# Altium PCB STB_LightBoard.PcbDoc (part 16 of 31)
Units mm, origin at the board's own origin, x right, y up, seen from the top; angles counter-clockwise.
Board outline 348 x 348 mm, 2 copper layers (Top Layer, Bottom Layer), stack 1.672 mm thick; 3807 components, 3391 nets, 11616 pads, 2553 vias.
Unrouted connection lines stored in the file: 68.
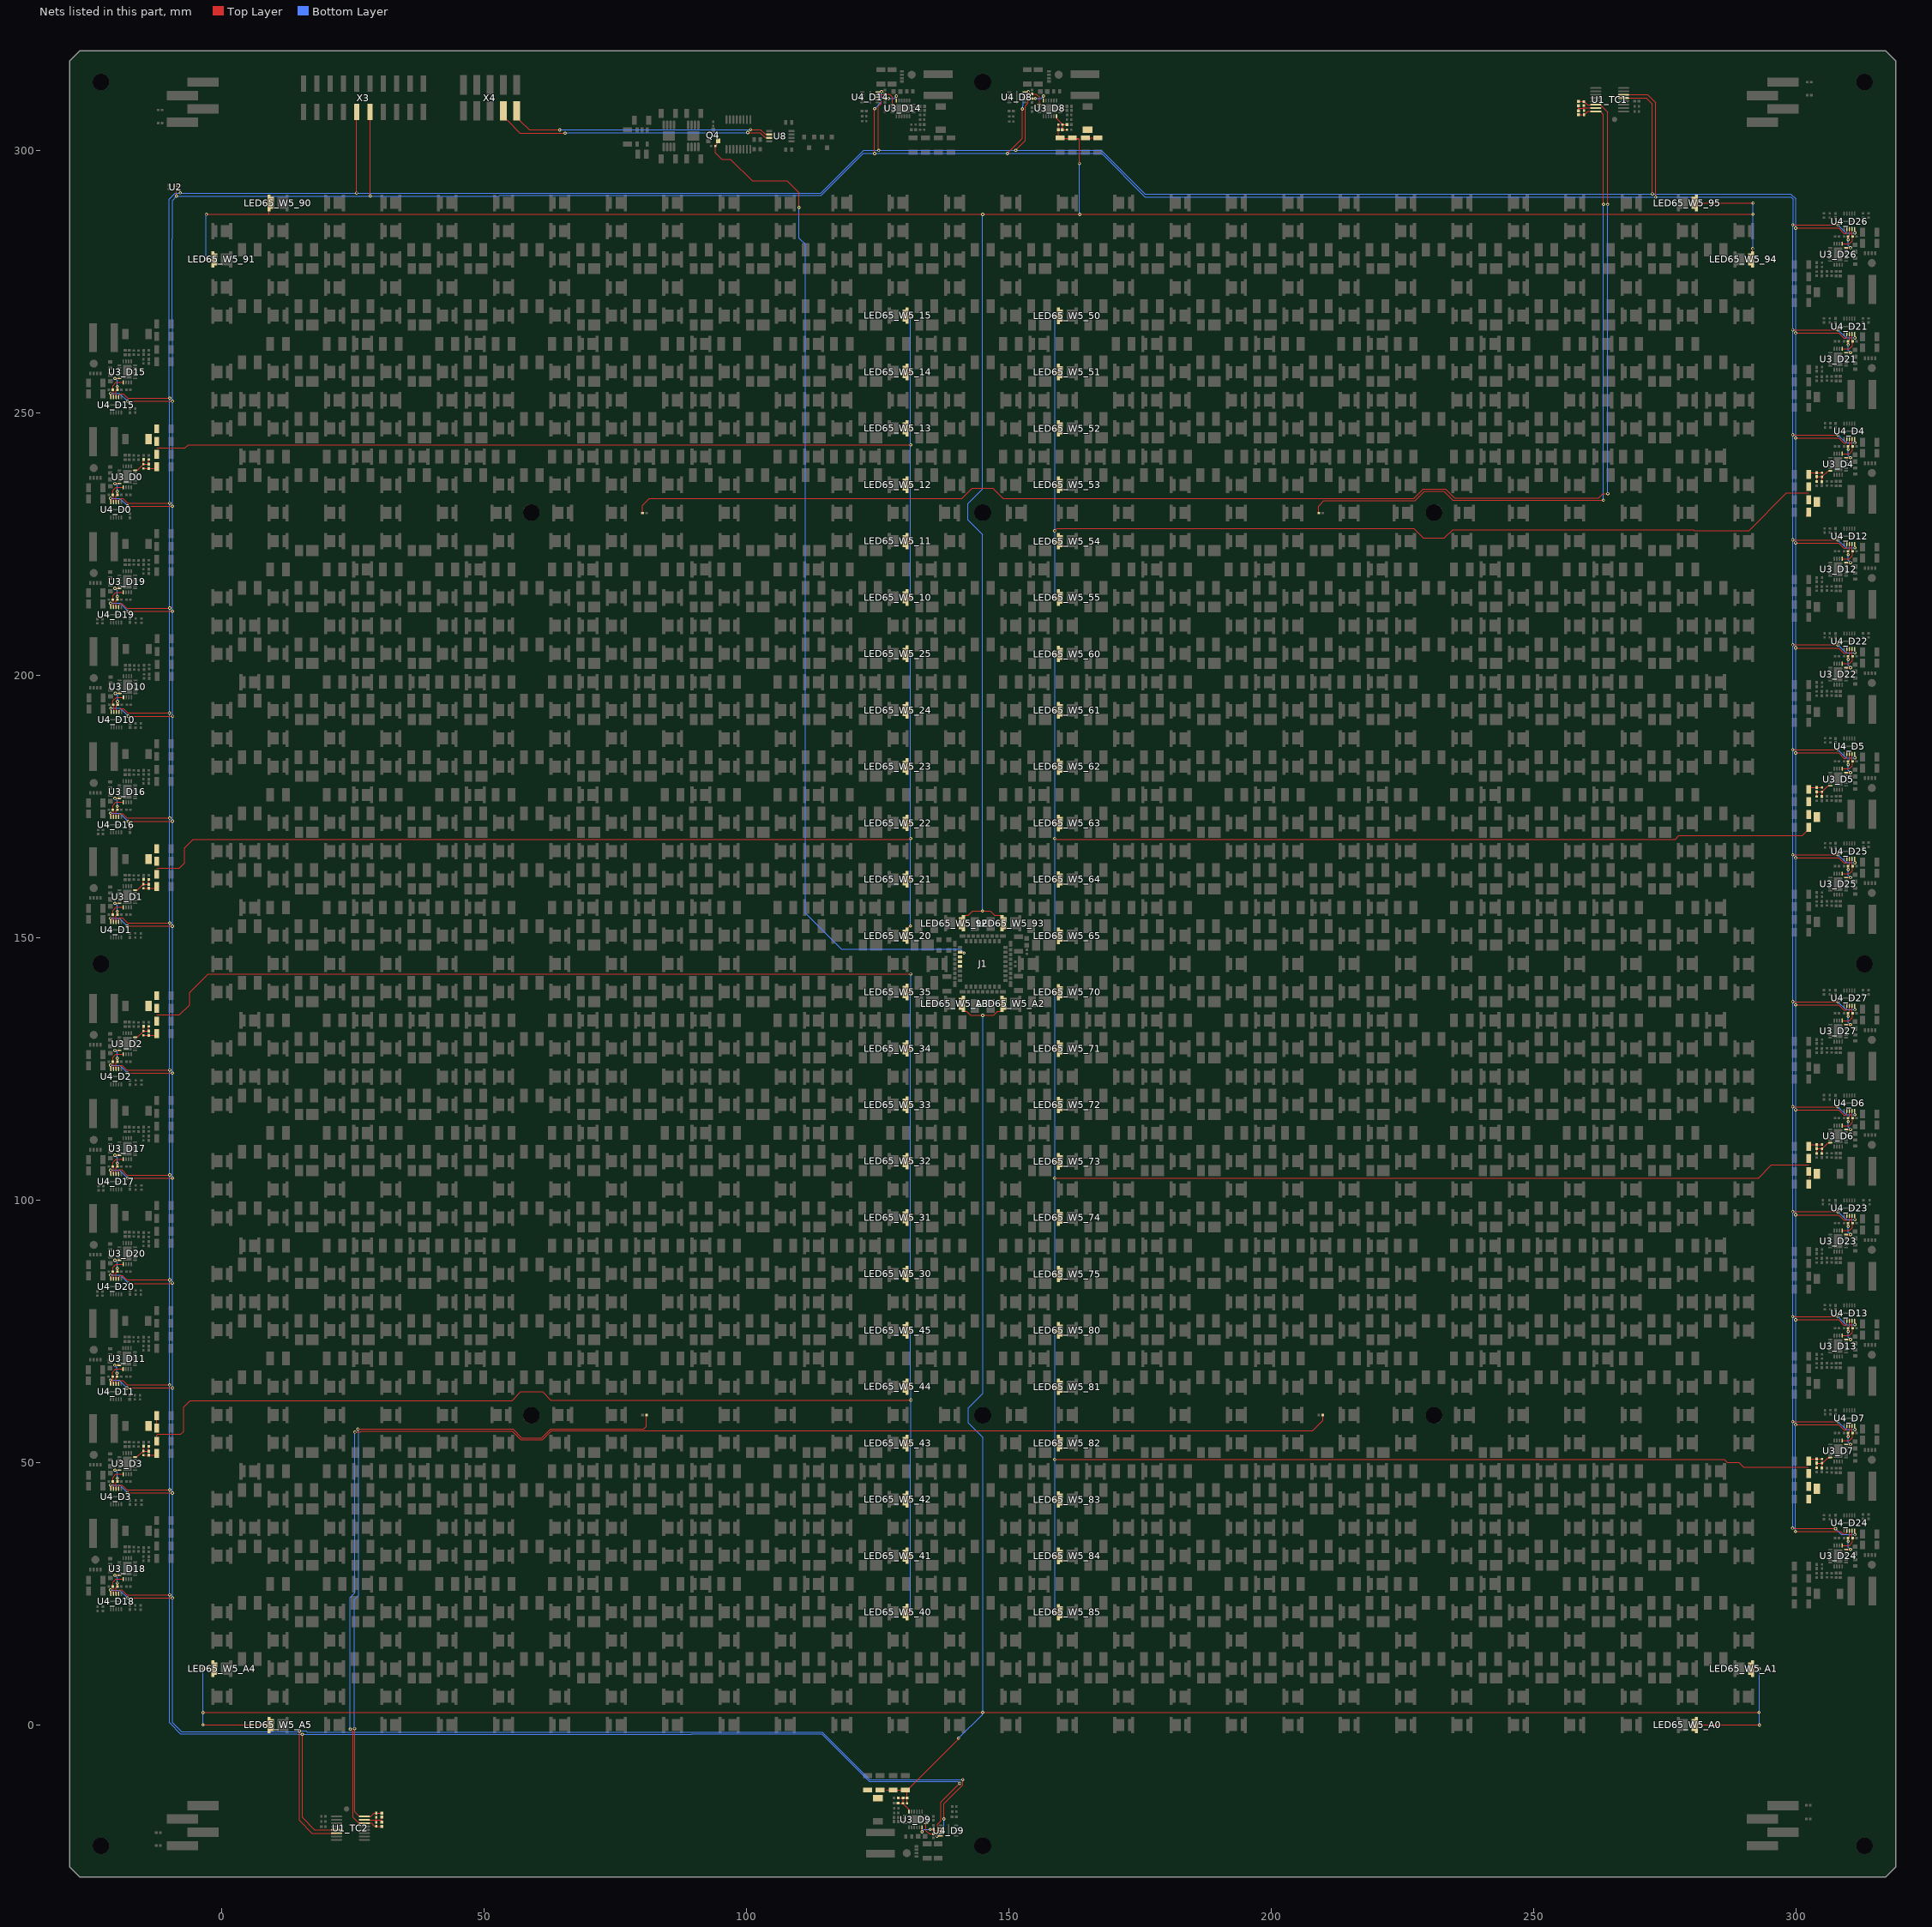
[diagram p16: the nets of this part, all layers, seen from the top]

## Via types
v1: diameter 0.604, hole 0.3, Top Layer to Bottom Layer, tented both sides, 2553 vias

## Nets (pads, with @x,y where several pads share a name; then routed paths per layer and width w, separated by ;. In a path a pad name is that pad's centre, name@x,y a point inside that pad or via, vN(x,y) a via of type N, cw(c..) or ccw(c..) an arc to the next point about the centre after c; other vN are vias at no path point) (continued)
I2C_LIGHT_SCL: U1_TC1.14 U1_TC2.14 U2.B1 U4_D0.10 U4_D1.10 U4_D2.10 U4_D3.10 U4_D4.10 U4_D5.10 U4_D6.10 U4_D7.10 U4_D8.10 U4_D9.10 U4_D10.10 U4_D11.10 U4_D12.10 U4_D13.10 U4_D14.10 U4_D15.10 U4_D16.10 U4_D17.10 U4_D18.10 U4_D19.10 U4_D20.10 U4_D21.10 U4_D22.10 U4_D23.10 U4_D24.10 U4_D25.10 U4_D26.10 U4_D27.10 X3.11 | length 1452.1
  Top Layer w0.2: v1(-21.231,65.714) -21.177,65.66 -21.177,65.01 U4_D11.10@-21.167,65 ; v1(-21.189,25.714) -21.135,25.66 -21.135,25.01 U4_D18.10@-21.125,25 ; v1(-21.189,45.714) -21.135,45.66 -21.135,45.01 U4_D3.10@-21.125,45 ; v1(-21.189,85.714) -21.135,85.66 -21.135,85.01 U4_D20.10@-21.125,85 ; v1(-21.189,105.714) -21.135,105.66 -21.135,105.01 U4_D17.10@-21.125,105 ; v1(-21.189,125.714) -21.135,125.66 -21.135,125.01 U4_D2.10@-21.125,125 ; v1(-21.189,153.714) -21.135,153.66 -21.135,153.01 U4_D1.10@-21.125,153 ; v1(-21.189,173.714) -21.135,173.66 -21.135,173.01 U4_D16.10@-21.125,173 ; v1(-21.189,213.714) -21.135,213.66 -21.135,213.01 U4_D19.10@-21.125,213 ; v1(-21.189,233.714) -21.135,233.66 -21.135,233.01 U4_D0.10@-21.125,233 ; v1(-21.189,253.714) -21.135,253.66 -21.135,253.01 U4_D15.10@-21.125,253 ; v1(-21.131,193.714) -21.077,193.66 -21.077,193.01 U4_D10.10@-21.067,193 ; v1(-18.076,64.213) -18.074,64.211 -9.343,64.211 v1(-9.341,64.209) ; v1(-17.985,152.227) -17.971,152.213 -9.414,152.213 v1(-9.4,152.2) ; v1(-17.975,44.246) -17.959,44.23 -9.43,44.23 v1(-9.4,44.2) ; v1(-17.965,124.23) -17.95,124.215 -9.415,124.215 v1(-9.4,124.2) ; v1(-17.957,232.237) -17.919,232.2 v1(-9.4,232.2) ; v1(-17.955,252.216) -17.946,252.208 -9.408,252.208 v1(-9.4,252.2) ; v1(-17.954,24.216) -17.946,24.208 -9.408,24.208 v1(-9.4,24.2) ; v1(-17.936,104.18) -17.926,104.19 -9.41,104.19 v1(-9.4,104.2) ; v1(-17.847,172.163) -17.828,172.181 -9.419,172.181 v1(-9.4,172.2) ; v1(-17.838,212.214) -17.831,212.207 -9.407,212.207 v1(-9.4,212.2) ; v1(-17.837,192.23) -17.822,192.215 -9.357,192.215 v1(-9.342,192.2) ; v1(-17.8,84.2) -17.723,84.123 -17.486,84.123 -17.481,84.118 -9.591,84.118 -9.509,84.2 v1(-9.4,84.2) ; v1(-8.614,291.314) U2.B1@-8.614,292.794 ; v1(14.817,-1.159) 14.802,-1.174 14.802,-18.185 17.226,-20.608 U1_TC2.14@21.885,-20.608 ; X3.11@28.27,307.3 28.3,307.27 v1(28.3,291.3) ; v1(124.4,299.4) 124.4,307.94 v1(124.413,307.953) ; U4_D14.10@125,311.125 125.01,311.135 125.66,311.135 v1(125.714,311.189) ; v1(136.286,-21.189) 136.34,-21.135 136.99,-21.135 U4_D9.10@137,-21.125 ; v1(137.6,-17.9) 137.6,-15 141.2,-11.4 v1(141.2,-10.4) ; v1(149.691,299.417) 152.567,302.294 v1(152.567,307.887) ; U4_D8.10@153,311.125 153.01,311.135 153.66,311.135 v1(153.714,311.189) ; U1_TC1.14@267.115,310.608 271.672,310.608 273.2,309.081 v1(273.2,291.1) ; v1(299.311,37.511) 299.367,37.456 307.444,37.456 v1(307.5,37.4) ; v1(299.348,57.8) 299.356,57.792 v1@307.946,57.792 ; v1(299.348,77.8) 299.356,77.792 v1@307.946,77.792 ; v1(299.348,97.8) 299.356,97.792 v1@307.946,97.792 ; v1(299.348,117.8) 299.356,117.792 v1@307.946,117.792 ; v1(299.348,137.8) 299.356,137.792 v1@307.946,137.792 ; v1(299.348,165.8) 299.356,165.792 v1@307.946,165.792 ; v1(299.348,185.8) 299.356,185.792 v1@307.946,185.792 ; v1(299.348,205.8) 299.356,205.792 v1@307.946,205.792 ; v1(299.348,225.8) 299.356,225.792 v1@307.946,225.792 ; v1(299.348,245.8) 299.356,245.792 v1@307.946,245.792 ; v1(299.348,265.8) 299.356,265.792 v1@307.946,265.792 ; v1(299.348,285.8) 299.356,285.792 v1@307.946,285.792 ; U4_D24.10@311.125,37 311.135,36.99 311.135,36.34 v1(311.189,36.286) ; U4_D7.10@311.125,57 311.135,56.99 311.135,56.34 v1(311.189,56.286) ; U4_D13.10@311.125,77 311.135,76.99 311.135,76.34 v1(311.189,76.286) ; U4_D23.10@311.125,97 311.135,96.99 311.135,96.34 v1(311.189,96.286) ; U4_D6.10@311.125,117 311.135,116.99 311.135,116.34 v1(311.189,116.286) ; U4_D27.10@311.125,137 311.135,136.99 311.135,136.34 v1(311.189,136.286) ; U4_D25.10@311.125,165 311.135,164.99 311.135,164.34 v1(311.189,164.286) ; U4_D5.10@311.125,185 311.135,184.99 311.135,184.34 v1(311.189,184.286) ; U4_D22.10@311.125,205 311.135,204.99 311.135,204.34 v1(311.189,204.286) ; U4_D12.10@311.125,225 311.135,224.99 311.135,224.34 v1(311.189,224.286) ; U4_D4.10@311.125,245 311.135,244.99 311.135,244.34 v1(311.189,244.286) ; U4_D21.10@311.125,265 311.135,264.99 311.135,264.34 v1(311.189,264.286) ; U4_D26.10@311.125,285 311.135,284.99 311.135,284.352 v1(311.189,284.298)
  Bottom Layer w0.2: v1(-21.231,65.714) -19.577,65.714 v1(-18.076,64.213) ; v1(-21.189,25.714) -19.452,25.714 v1(-17.954,24.216) ; v1(-21.189,45.714) -19.428,45.714 -17.975,44.261 v1(-17.975,44.246) ; v1(-21.189,85.714) -19.314,85.714 v1(-17.8,84.2) ; v1(-21.189,105.714) -19.47,105.714 v1(-17.936,104.18) ; v1(-21.189,125.714) -19.449,125.714 -18.544,124.809 v1(-17.965,124.23) ; v1(-21.189,153.714) -19.472,153.714 v1(-17.985,152.227) ; v1(-21.189,173.714) -19.398,173.714 v1(-17.847,172.163) ; v1(-21.189,213.714) -19.338,213.714 v1(-17.838,212.214) ; v1(-21.189,233.714) -19.403,233.714 -17.957,232.268 v1(-17.957,232.237) ; v1(-21.189,253.714) -19.452,253.714 v1(-17.955,252.216) ; v1(-21.131,193.714) -19.321,193.714 v1(-17.837,192.23) ; -9.41,283.09 -9.41,267.676 -9.348,267.614 v1@-9.348,252.2 ; v1(-9.4,212.2) -9.4,192.258 v1(-9.342,192.2) ; -9.4,283.101 -9.4,290.479 -8.614,291.266 v1(-8.614,291.314) ; v1@-9.348,192.2 -9.348,84.2 -9.371,84.177 -9.371,64.238 v1(-9.341,64.209) -9.348,64.202 -9.348,0.434 -7.62,-1.294 14.573,-1.294 v1@14.708,-1.159 ; v1@-9.348,212.2 v1@-9.348,252.2 ; v1@-8.54,291.359 -8.472,291.359 -8.427,291.314 52.843,291.314 52.936,291.406 114.206,291.406 122.222,299.422 149.686,299.422 v1(149.691,299.417) 149.695,299.422 167.678,299.422 175.954,291.146 299.002,291.146 299.448,290.7 v1@299.448,285.8 ; v1(14.817,-1.159) 14.857,-1.118 16.031,-1.118 16.258,-1.345 114.445,-1.345 123.513,-10.413 v1@141.2,-10.413 ; v1(124.413,307.953) 125.714,309.254 v1(125.714,311.189) ; v1(136.286,-21.189) 137.6,-19.875 v1(137.6,-17.9) ; v1(152.567,307.887) 152.6,307.92 152.6,308.489 152.7,308.589 152.7,310.175 v1(153.714,311.189) ; v1(299.311,37.511) 299.311,37.717 299.348,37.753 v1(299.348,57.8) v1(299.348,77.8) v1(299.348,97.8) v1(299.348,117.8) v1(299.348,137.8) v1(299.348,165.8) v1(299.348,185.8) v1(299.348,205.8) v1(299.348,225.8) 299.348,245.7 v1@299.398,245.75 ; v1(299.348,245.8) v1(299.348,265.8) ; v1@299.348,265.9 v1(299.348,285.8) ; v1(307.5,37.4) 308.614,36.286 v1(311.189,36.286) ; v1(307.954,57.784) 309.452,56.286 v1@311.189,56.286 ; v1(307.954,77.784) 309.452,76.286 v1@311.189,76.286 ; v1(307.954,97.784) 309.452,96.286 v1@311.189,96.286 ; v1(307.954,117.784) 309.452,116.286 v1@311.189,116.286 ; v1(307.954,137.784) 309.452,136.286 v1(311.189,136.286) ; v1(307.954,165.784) 309.452,164.286 v1@311.189,164.286 ; v1(307.954,185.784) 309.452,184.286 v1@311.189,184.286 ; v1(307.954,205.784) 309.452,204.286 v1@311.189,204.286 ; v1(307.954,225.784) 309.452,224.286 v1@311.189,224.286 ; v1(307.954,245.784) 309.452,244.286 v1@311.189,244.286 ; v1(307.954,265.784) 309.452,264.286 v1@311.189,264.286 ; v1(307.954,285.784) 309.452,284.286 311.176,284.286 v1(311.189,284.298)
I2C_LIGHT_SDA: U1_TC1.13 U1_TC2.13 U2.B2 U4_D0.7 U4_D1.7 U4_D2.7 U4_D3.7 U4_D4.7 U4_D5.7 U4_D6.7 U4_D7.7 U4_D8.7 U4_D9.7 U4_D10.7 U4_D11.7 U4_D12.7 U4_D13.7 U4_D14.7 U4_D15.7 U4_D16.7 U4_D17.7 U4_D18.7 U4_D19.7 U4_D20.7 U4_D21.7 U4_D22.7 U4_D23.7 U4_D24.7 U4_D25.7 U4_D26.7 U4_D27.7 X3.9 | length 1381.4
  Top Layer w0.2: U4_D11.7@-19.667,65 -19.667,65.289 -19.544,65.411 -19.544,65.431 -19.323,65.652 -18.855,65.652 -18.003,64.8 v1(-9.944,64.8) ; U4_D18.7@-19.625,25 -19.615,25.01 -19.615,25.665 -19.481,25.8 -19.092,25.8 -18.092,24.8 v1(-9.902,24.8) ; U4_D3.7@-19.625,45 -19.615,45.01 -19.615,45.32 -19.615,45.556 -19.498,45.673 -18.967,45.673 -18.094,44.8 v1(-9.902,44.8) ; U4_D20.7@-19.625,85 -19.625,85.289 -19.502,85.412 -19.502,85.431 -19.281,85.652 -18.917,85.652 -18.065,84.8 v1(-9.902,84.8) ; U4_D17.7@-19.625,105 -19.615,105.01 -19.615,105.665 -19.481,105.8 -19.098,105.8 -18.098,104.8 v1(-9.902,104.8) ; U4_D2.7@-19.625,125 -19.615,125.01 -19.615,125.32 -19.615,125.579 -19.498,125.697 -18.979,125.697 -18.083,124.8 v1(-9.902,124.8) ; U4_D1.7@-19.625,153 -19.615,153.01 -19.615,153.665 ; U4_D16.7@-19.625,173 -19.615,173.01 -19.615,173.32 -19.615,173.545 -19.498,173.662 -18.941,173.662 -18.079,172.8 v1(-9.902,172.8) ; U4_D19.7@-19.625,213 -19.625,213.289 -19.502,213.412 -19.502,213.431 -19.281,213.652 -18.969,213.652 -18.117,212.8 v1(-9.902,212.8) ; U4_D0.7@-19.625,233 -19.625,233.289 -19.502,233.412 -19.502,233.431 -19.281,233.652 -18.83,233.652 -17.969,232.791 v1@-9.911,232.791 ; U4_D15.7@-19.625,253 -19.625,253.289 -19.502,253.412 -19.502,253.431 -19.281,253.652 -18.794,253.652 -17.942,252.8 v1(-9.902,252.8) ; -19.571,153.71 -19.615,153.665 ; U4_D10.7@-19.567,193 -19.567,193.289 -19.444,193.411 -19.444,193.431 -19.223,193.652 -18.794,193.652 -17.942,192.8 v1(-9.954,192.8) ; v1(-9.902,152.8) -17.95,152.8 -18.95,153.8 -19.481,153.8 -19.615,153.665 ; U2.B2@-8.616,293.194 -8.612,293.19 -8.397,293.19 -7.902,292.695 ; v1(-7.9,291.913) -7.9,292.695 ; v1(15.356,-1.756) 15.356,-17.61 17.72,-19.973 U1_TC2.13@21.885,-19.973 ; v1(25.7,291.868) 25.7,307.27 X3.9@25.73,307.3 ; U4_D14.7@125,309.625 125.01,309.615 125.369,309.615 125.652,309.333 125.652,308.939 125.146,308.433 125.146,300.054 v1(125.2,300) ; U4_D9.7@137,-19.625 136.99,-19.615 136.515,-19.615 136.348,-19.448 136.348,-18.899 137.018,-18.229 137.018,-14.682 140.592,-11.108 v1(140.644,-11.108) ; v1(151.304,300.027) 151.304,300.094 153.121,301.911 153.121,308.438 153.652,308.969 153.652,309.281 153.431,309.502 153.411,309.502 153.289,309.625 U4_D8.7@153,309.625 ; U1_TC1.13@267.115,309.973 271.427,309.973 272.6,308.8 v1(272.6,291.7) ; v1(299.847,36.886) 299.887,36.846 308.45,36.846 308.948,36.348 309.281,36.348 309.502,36.569 309.502,36.588 309.625,36.711 U4_D24.7@309.625,37 ; v1(299.902,57.2) 308.092,57.2 309.092,56.2 309.481,56.2 309.615,56.335 U4_D7.7@309.615,56.99 ; v1(299.902,77.2) 308.092,77.2 309.092,76.2 309.481,76.2 309.615,76.335 U4_D13.7@309.615,76.99 ; v1(299.902,97.2) 308.092,97.2 309.092,96.2 309.481,96.2 309.615,96.335 U4_D23.7@309.615,96.99 ; v1(299.902,117.2) 308.092,117.2 309.092,116.2 309.481,116.2 309.615,116.335 U4_D6.7@309.615,116.99 ; v1(299.902,137.2) 308.092,137.2 309.092,136.2 309.481,136.2 309.615,136.335 U4_D27.7@309.615,136.99 ; v1(299.902,165.2) 308.092,165.2 309.092,164.2 309.481,164.2 309.615,164.335 U4_D25.7@309.615,164.99 ; v1(299.902,185.2) 308.092,185.2 309.092,184.2 309.481,184.2 309.615,184.335 U4_D5.7@309.615,184.99 ; v1(299.902,205.2) 308.092,205.2 309.092,204.2 309.481,204.2 309.615,204.335 U4_D22.7@309.615,204.99 ; v1(299.902,225.2) 308.092,225.2 309.092,224.2 309.481,224.2 309.615,224.335 U4_D12.7@309.615,224.99 ; v1(299.902,245.2) 308.092,245.2 309.092,244.2 309.481,244.2 309.615,244.335 U4_D4.7@309.615,244.99 ; v1(299.902,265.2) 308.092,265.2 309.092,264.2 309.481,264.2 309.615,264.335 U4_D21.7@309.615,264.99 ; v1(299.902,285.2) 308.092,285.2 309.092,284.2 309.481,284.2 309.615,284.335 U4_D26.7@309.615,284.99
  Bottom Layer w0.2: v1@-7.9,291.868 114.168,291.868 122.327,300.027 v1(151.304,300.027) 151.315,300.015 167.585,300.015 175.894,291.706 298.994,291.706 299.902,290.798 v1(299.902,285.2) v1(299.902,265.2) v1(299.902,245.2) v1(299.902,225.2) v1(299.902,205.2) v1(299.902,185.2) v1(299.902,165.2) v1(299.902,137.2) v1(299.902,117.2) v1(299.902,97.2) v1(299.902,77.2) v1(299.902,57.2) 299.874,57.172 299.874,36.914 v1(299.847,36.886) ; v1(-7.9,291.913) -7.945,291.868 -8.859,291.868 -10,290.727 -10,253.119 -9.979,253.098 -9.979,252.877 v1(-9.902,252.8) -9.954,252.748 v1(-9.954,192.8) -9.954,0.419 -7.889,-1.646 14.323,-1.646 14.462,-1.785 15.327,-1.785 v1(15.356,-1.756) 89.501,-1.756 89.56,-1.697 114.299,-1.697 123.368,-10.765 140.192,-10.765 140.534,-11.108 v1(140.644,-11.108)
  other v1: -9.902,232.8
I2C_SCL: U8.2 X4.9 | length 50.7
  Top Layer w0.2: X4.9@56.21,307.525 56.745,306.99 56.745,305.755 58.6,303.9 v1(64.4,303.9) ; v1(100.752,303.952) 102.68,303.952 103.543,303.088 104.262,303.088 U8.2@104.3,303.05
  Bottom Layer w0.2: v1(64.4,303.9) 64.465,303.965 100.738,303.965 v1(100.752,303.952)
I2C_SCL_D0: R56_D0.1 U3_D0.7 U4_D0.9 | length 4.7
  Top Layer w0.2: R56_D0.1@-20.75,234.389 -20.635,234.273 -20.635,233.01 U4_D0.9@-20.625,233 ; U3_D0.7@-18.75,235.8 -20.15,235.8 -20.75,235.2 R56_D0.1@-20.75,234.476 ; R56_D0.1@-20.75,234.476 -20.647,234.373 -20.706,234.432 R56_D0.1@-20.75,234.476
I2C_SCL_D1: R56_D1.1 U3_D1.7 U4_D1.9 | length 4.7
  Top Layer w0.2: R56_D1.1@-20.75,154.389 -20.635,154.273 -20.635,153.01 U4_D1.9@-20.625,153 ; U3_D1.7@-18.75,155.8 -20.15,155.8 -20.75,155.2 R56_D1.1@-20.75,154.476 ; R56_D1.1@-20.75,154.476 -20.647,154.373 -20.706,154.432 R56_D1.1@-20.75,154.476
I2C_SCL_D2: R56_D2.1 U3_D2.7 U4_D2.9 | length 4.7
  Top Layer w0.2: R56_D2.1@-20.75,126.389 -20.635,126.273 -20.635,125.01 U4_D2.9@-20.625,125 ; U3_D2.7@-18.75,127.8 -20.15,127.8 -20.75,127.2 R56_D2.1@-20.75,126.476 ; R56_D2.1@-20.75,126.476 -20.647,126.373 -20.706,126.432 R56_D2.1@-20.75,126.476
I2C_SCL_D3: R56_D3.1 U3_D3.7 U4_D3.9 | length 4.7
  Top Layer w0.2: R56_D3.1@-20.75,46.389 -20.635,46.273 -20.635,45.01 U4_D3.9@-20.625,45 ; U3_D3.7@-18.75,47.8 -20.15,47.8 -20.75,47.2 R56_D3.1@-20.75,46.476 ; R56_D3.1@-20.75,46.476 -20.647,46.373 R56_D3.1@-20.75,46.476
I2C_SCL_D4: R56_D4.1 U3_D4.7 U4_D4.9 | length 4.7
  Top Layer w0.2: U3_D4.7@308.75,242.2 310.15,242.2 310.75,242.8 R56_D4.1@310.75,243.524 ; U4_D4.9@310.625,245 310.635,244.99 310.635,243.727 R56_D4.1@310.75,243.611 ; R56_D4.1@310.75,243.524 310.647,243.627 310.706,243.568 R56_D4.1@310.75,243.524
I2C_SCL_D5: R56_D5.1 U3_D5.7 U4_D5.9 | length 4.7
  Top Layer w0.2: U3_D5.7@308.75,182.2 310.15,182.2 310.75,182.8 R56_D5.1@310.75,183.524 ; U4_D5.9@310.625,185 310.635,184.99 310.635,183.727 R56_D5.1@310.75,183.611 ; R56_D5.1@310.75,183.524 310.647,183.627 310.706,183.567 R56_D5.1@310.75,183.524
I2C_SCL_D6: R56_D6.1 U3_D6.7 U4_D6.9 | length 4.7
  Top Layer w0.2: U3_D6.7@308.75,114.2 310.15,114.2 310.75,114.8 R56_D6.1@310.75,115.524 ; U4_D6.9@310.625,117 310.635,116.99 310.635,115.727 R56_D6.1@310.75,115.611 ; R56_D6.1@310.75,115.524 310.647,115.627 310.706,115.568 R56_D6.1@310.75,115.524
I2C_SCL_D7: R56_D7.1 U3_D7.7 U4_D7.9 | length 4.7
  Top Layer w0.2: U3_D7.7@308.75,54.2 310.15,54.2 310.75,54.8 R56_D7.1@310.75,55.524 ; U4_D7.9@310.625,57 310.635,56.99 310.635,55.727 R56_D7.1@310.75,55.611 ; R56_D7.1@310.75,55.524 310.647,55.627 R56_D7.1@310.75,55.524
I2C_SCL_D8: R56_D8.1 U3_D8.7 U4_D8.9 | length 4.7
  Top Layer w0.2: U4_D8.9@153,310.625 153.01,310.635 154.273,310.635 R56_D8.1@154.389,310.75 ; U3_D8.7@155.8,308.75 155.8,310.15 155.2,310.75 R56_D8.1@154.476,310.75 ; R56_D8.1@154.476,310.75 154.373,310.647 154.432,310.706 R56_D8.1@154.476,310.75
I2C_SCL_D9: R56_D9.1 U3_D9.7 U4_D9.9 | length 4.7
  Top Layer w0.2: U3_D9.7@134.2,-18.75 134.2,-20.15 134.8,-20.75 R56_D9.1@135.524,-20.75 ; R56_D9.1@135.611,-20.75 135.727,-20.635 136.99,-20.635 U4_D9.9@137,-20.625 ; R56_D9.1@135.524,-20.75 135.627,-20.647 135.567,-20.706 R56_D9.1@135.524,-20.75
I2C_SCL_D10: R56_D10.1 U3_D10.7 U4_D10.9 | length 4.7
  Top Layer w0.2: R56_D10.1@-20.692,194.389 -20.577,194.273 -20.577,193.01 U4_D10.9@-20.567,193 ; U3_D10.7@-18.692,195.8 -20.092,195.8 -20.692,195.2 R56_D10.1@-20.692,194.476 ; R56_D10.1@-20.692,194.476 -20.589,194.373 -20.648,194.433 R56_D10.1@-20.692,194.476
I2C_SCL_D11: R56_D11.1 U3_D11.7 U4_D11.9 | length 4.7
  Top Layer w0.2: R56_D11.1@-20.792,66.389 -20.677,66.273 -20.677,65.01 U4_D11.9@-20.667,65 ; U3_D11.7@-18.792,67.8 -20.192,67.8 -20.792,67.2 R56_D11.1@-20.792,66.476 ; R56_D11.1@-20.792,66.476 -20.689,66.373 R56_D11.1@-20.792,66.476
I2C_SCL_D12: R56_D12.1 U3_D12.7 U4_D12.9 | length 4.7
  Top Layer w0.2: U3_D12.7@308.75,222.2 310.15,222.2 310.75,222.8 R56_D12.1@310.75,223.524 ; U4_D12.9@310.625,225 310.635,224.99 310.635,223.727 R56_D12.1@310.75,223.611 ; R56_D12.1@310.75,223.524 310.647,223.627 R56_D12.1@310.75,223.524
I2C_SCL_D13: R56_D13.1 U3_D13.7 U4_D13.9 | length 4.7
  Top Layer w0.2: U3_D13.7@308.75,74.2 310.15,74.2 310.75,74.8 R56_D13.1@310.75,75.524 ; U4_D13.9@310.625,77 310.635,76.99 310.635,75.727 R56_D13.1@310.75,75.611 ; R56_D13.1@310.75,75.524 310.647,75.627 R56_D13.1@310.75,75.524
I2C_SCL_D14: R56_D14.1 U3_D14.7 U4_D14.9 | length 4.7
  Top Layer w0.2: U4_D14.9@125,310.625 125.01,310.635 126.273,310.635 R56_D14.1@126.389,310.75 ; U3_D14.7@127.8,308.75 127.8,310.15 127.2,310.75 R56_D14.1@126.476,310.75 ; R56_D14.1@126.476,310.75 126.373,310.647 126.433,310.706 R56_D14.1@126.476,310.75
I2C_SCL_D15: R56_D15.1 U3_D15.7 U4_D15.9 | length 4.7
  Top Layer w0.2: R56_D15.1@-20.75,254.389 -20.635,254.273 -20.635,253.01 U4_D15.9@-20.625,253 ; U3_D15.7@-18.75,255.8 -20.15,255.8 -20.75,255.2 R56_D15.1@-20.75,254.476 ; R56_D15.1@-20.75,254.476 -20.647,254.373 -20.706,254.432 R56_D15.1@-20.75,254.476
I2C_SCL_D16: R56_D16.1 U3_D16.7 U4_D16.9 | length 4.7
  Top Layer w0.2: R56_D16.1@-20.75,174.389 -20.635,174.273 -20.635,173.01 U4_D16.9@-20.625,173 ; U3_D16.7@-18.75,175.8 -20.15,175.8 -20.75,175.2 R56_D16.1@-20.75,174.476 ; R56_D16.1@-20.75,174.476 -20.647,174.373 R56_D16.1@-20.75,174.476
I2C_SCL_D17: R56_D17.1 U3_D17.7 U4_D17.9 | length 4.7
  Top Layer w0.2: R56_D17.1@-20.75,106.389 -20.635,106.273 -20.635,105.01 U4_D17.9@-20.625,105 ; U3_D17.7@-18.75,107.8 -20.15,107.8 -20.75,107.2 R56_D17.1@-20.75,106.476 ; R56_D17.1@-20.75,106.476 -20.647,106.373 -20.706,106.432 R56_D17.1@-20.75,106.476
I2C_SCL_D18: R56_D18.1 U3_D18.7 U4_D18.9 | length 4.7
  Top Layer w0.2: R56_D18.1@-20.75,26.389 -20.635,26.273 -20.635,25.01 U4_D18.9@-20.625,25 ; U3_D18.7@-18.75,27.8 -20.15,27.8 -20.75,27.2 R56_D18.1@-20.75,26.476 ; R56_D18.1@-20.75,26.476 -20.647,26.373 -20.706,26.432 R56_D18.1@-20.75,26.476
I2C_SCL_D19: R56_D19.1 U3_D19.7 U4_D19.9 | length 4.7
  Top Layer w0.2: R56_D19.1@-20.75,214.389 -20.635,214.273 -20.635,213.01 U4_D19.9@-20.625,213 ; U3_D19.7@-18.75,215.8 -20.15,215.8 -20.75,215.2 R56_D19.1@-20.75,214.476 ; R56_D19.1@-20.75,214.476 -20.647,214.373 R56_D19.1@-20.75,214.476
I2C_SCL_D20: R56_D20.1 U3_D20.7 U4_D20.9 | length 4.7
  Top Layer w0.2: R56_D20.1@-20.75,86.389 -20.635,86.273 -20.635,85.01 U4_D20.9@-20.625,85 ; U3_D20.7@-18.75,87.8 -20.15,87.8 -20.75,87.2 R56_D20.1@-20.75,86.476 ; R56_D20.1@-20.75,86.476 -20.647,86.373 R56_D20.1@-20.75,86.476
I2C_SCL_D21: R56_D21.1 U3_D21.7 U4_D21.9 | length 4.7
  Top Layer w0.2: U3_D21.7@308.75,262.2 310.15,262.2 310.75,262.8 R56_D21.1@310.75,263.524 ; U4_D21.9@310.625,265 310.635,264.99 310.635,263.727 R56_D21.1@310.75,263.611 ; R56_D21.1@310.75,263.524 310.647,263.627 310.706,263.568 R56_D21.1@310.75,263.524
I2C_SCL_D22: R56_D22.1 U3_D22.7 U4_D22.9 | length 4.7
  Top Layer w0.2: U3_D22.7@308.75,202.2 310.15,202.2 310.75,202.8 R56_D22.1@310.75,203.524 ; U4_D22.9@310.625,205 310.635,204.99 310.635,203.727 R56_D22.1@310.75,203.611 ; R56_D22.1@310.75,203.524 310.647,203.627 R56_D22.1@310.75,203.524
I2C_SCL_D23: R56_D23.1 U3_D23.7 U4_D23.9 | length 4.7
  Top Layer w0.2: U3_D23.7@308.75,94.2 310.15,94.2 310.75,94.8 R56_D23.1@310.75,95.524 ; U4_D23.9@310.625,97 310.635,96.99 310.635,95.727 R56_D23.1@310.75,95.611 ; R56_D23.1@310.75,95.524 310.647,95.627 R56_D23.1@310.75,95.524
I2C_SCL_D24: R56_D24.1 U3_D24.7 U4_D24.9 | length 4.7
  Top Layer w0.2: U3_D24.7@308.75,34.2 310.15,34.2 310.75,34.8 R56_D24.1@310.75,35.524 ; U4_D24.9@310.625,37 310.635,36.99 310.635,35.727 R56_D24.1@310.75,35.611 ; R56_D24.1@310.75,35.524 310.647,35.627 310.706,35.568 R56_D24.1@310.75,35.524
I2C_SCL_D25: R56_D25.1 U3_D25.7 U4_D25.9 | length 4.7
  Top Layer w0.2: U3_D25.7@308.75,162.2 310.15,162.2 310.75,162.8 R56_D25.1@310.75,163.524 ; U4_D25.9@310.625,165 310.635,164.99 310.635,163.727 R56_D25.1@310.75,163.611 ; R56_D25.1@310.75,163.524 310.647,163.627 310.706,163.567 R56_D25.1@310.75,163.524
I2C_SCL_D26: R56_D26.1 U3_D26.7 U4_D26.9 | length 4.7
  Top Layer w0.2: U3_D26.7@308.75,282.2 310.15,282.2 310.75,282.8 R56_D26.1@310.75,283.524 ; U4_D26.9@310.625,285 310.635,284.99 310.635,283.727 R56_D26.1@310.75,283.611 ; R56_D26.1@310.75,283.524 310.647,283.627 R56_D26.1@310.75,283.524
I2C_SCL_D27: R56_D27.1 U3_D27.7 U4_D27.9 | length 4.7
  Top Layer w0.2: U3_D27.7@308.75,134.2 310.15,134.2 310.75,134.8 R56_D27.1@310.75,135.524 ; U4_D27.9@310.625,137 310.635,136.99 310.635,135.727 R56_D27.1@310.75,135.611 ; R56_D27.1@310.75,135.524 310.647,135.627 310.706,135.568 R56_D27.1@310.75,135.524